# KiCad board S13552_64Ch_Adapter_BGA2803_V2-Pannel.kicad_pcb
title: Hamamatsu S13552 64 Channels Amplifier; date: 2025-07-29; rev: 1
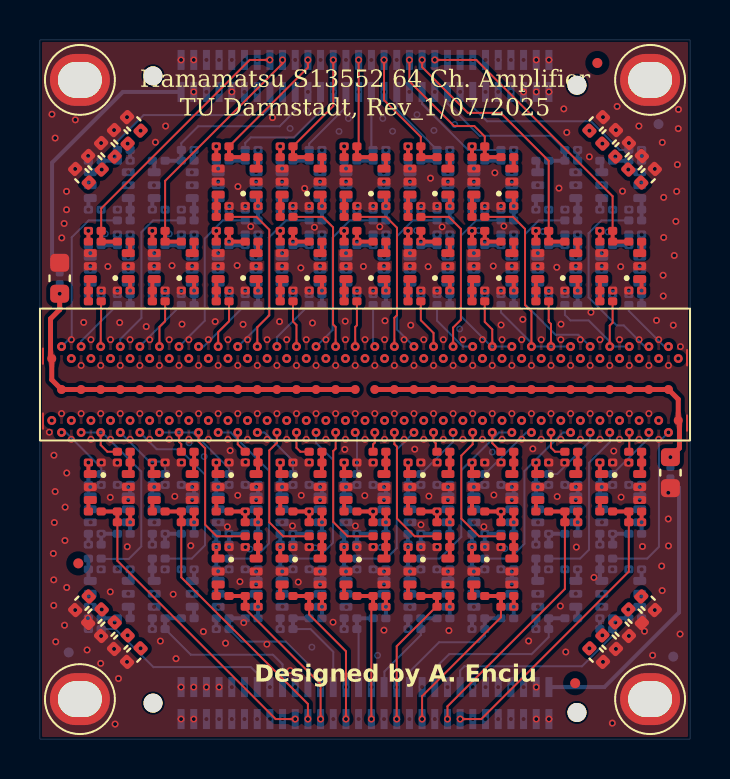
[diagram p0: board, top side]
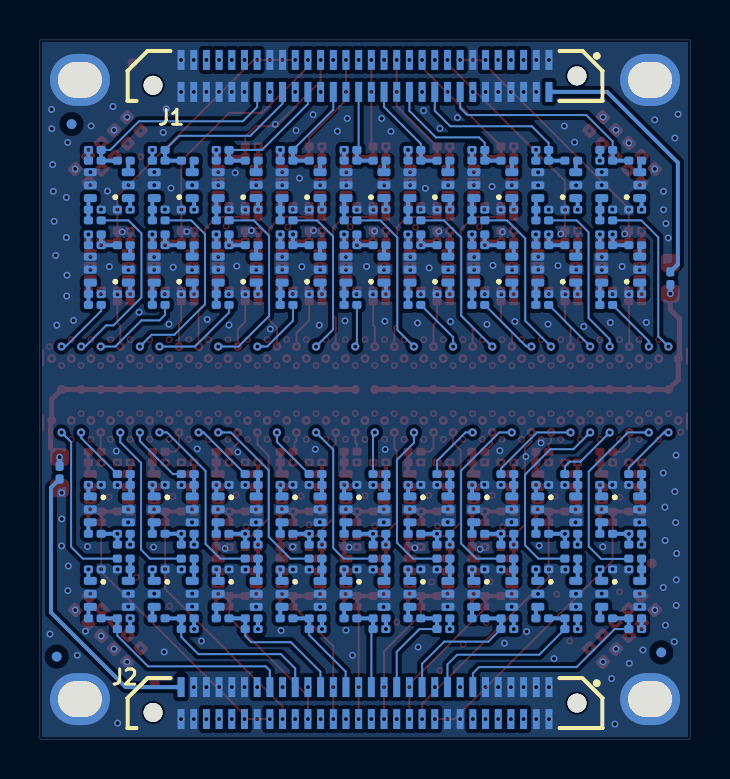
[diagram p1: board, bottom side, seen from below]

Outline 32.54 x 35 mm; copper layers: Top, GND_In1.Cu (plane), In2.Cu, GND_In3.Cu (plane), 3V3_In4.Cu (plane), GND_In5.Cu (plane), 1V1_In6.Cu (plane), GND_In7.Cu (plane), GND_In8.Cu (plane), Bottom. Coordinates in mm from the lower left corner of the outline.
Outline path: 0,35 32.54,35 32.54,0 0,0 0,35
Stack: Top 0.018mm / dielectric 0.1mm Polyimide er 3.2 / GND_In1.Cu 0.018mm / dielectric 0.187mm Polyimide er 4.5 / In2.Cu 0.018mm / dielectric 0.1mm Polyimide er 3.2 / GND_In3.Cu 0.035mm / dielectric 0.187mm FR4 er 4.5 / 3V3_In4.Cu 0.035mm / dielectric 0.1mm FR4 er 4.5 / GND_In5.Cu 0.035mm / dielectric 0.187mm FR4 er 4.5 / 1V1_In6.Cu 0.035mm / dielectric 0.1mm FR4 er 4.5 / GND_In7.Cu 0.035mm / dielectric 0.187mm FR4 er 4.5 / GND_In8.Cu 0.035mm / dielectric 0.1mm FR4 er 4.5 / Bottom 0.018mm

## Placement (name value [footprint] x y rotation side)
C1  10nF/100V  [C_0603_1608Metric]  31.56 13.34 270 top
C2  10nF/100V  [C_0603_1608Metric]  0.99 23.07 90 top
C3  1nF  [C_0201_0603Metric]  2.74 21.91 180 top
C4  100nF  [C_0201_0603Metric]  4.19 22.45 180 top
C5  1pF  [C_0201_0603Metric]  2.74 22.45 180 top
C6  1nF  [C_0201_0603Metric]  4.19 24.9 180 top
C7  1pF  [C_0201_0603Metric]  2.74 24.9 180 top
C8  1nF  [C_0201_0603Metric]  9.14 21.91 180 top
C9  100nF  [C_0201_0603Metric]  10.59 22.45 180 top
C10  1pF  [C_0201_0603Metric]  9.14 22.45 180 top
C11  1nF  [C_0201_0603Metric]  10.59 24.9 180 top
C12  1pF  [C_0201_0603Metric]  9.14 24.9 180 top
C13  1nF  [C_0201_0603Metric]  12.34 21.91 180 top
C14  100nF  [C_0201_0603Metric]  13.8 22.45 180 top
C15  1pF  [C_0201_0603Metric]  12.34 22.45 180 top
C16  1nF  [C_0201_0603Metric]  13.8 24.9 180 top
C17  1pF  [C_0201_0603Metric]  12.34 24.9 180 top
C18  1nF  [C_0201_0603Metric]  15.55 21.91 180 top
C19  100nF  [C_0201_0603Metric]  16.99 22.45 180 top
C20  1pF  [C_0201_0603Metric]  15.55 22.45 180 top
C21  1nF  [C_0201_0603Metric]  16.99 24.9 180 top
C22  1pF  [C_0201_0603Metric]  15.55 24.9 180 top
C23  1nF  [C_0201_0603Metric]  18.74 21.91 180 top
C24  100nF  [C_0201_0603Metric]  20.19 22.45 180 top
C25  1pF  [C_0201_0603Metric]  18.74 22.45 180 top
C26  1nF  [C_0201_0603Metric]  20.19 24.9 180 top
C27  1pF  [C_0201_0603Metric]  18.74 24.9 180 top
C28  1nF  [C_0201_0603Metric]  21.94 21.91 180 top
C29  100nF  [C_0201_0603Metric]  23.39 22.45 180 top
C30  1pF  [C_0201_0603Metric]  21.94 22.45 180 top
C31  1nF  [C_0201_0603Metric]  23.39 24.9 180 top
C32  1pF  [C_0201_0603Metric]  21.94 24.9 180 top
C33  1nF  [C_0201_0603Metric]  25.14 21.91 180 top
C34  100nF  [C_0201_0603Metric]  26.59 22.45 180 top
C35  1pF  [C_0201_0603Metric]  25.14 22.45 180 top
C36  1nF  [C_0201_0603Metric]  26.59 24.9 180 top
C37  1pF  [C_0201_0603Metric]  25.14 24.9 180 top
C38  1nF  [C_0201_0603Metric]  28.34 21.91 180 top
C39  100nF  [C_0201_0603Metric]  29.8 22.45 180 top
C40  1pF  [C_0201_0603Metric]  28.34 22.45 180 top
C41  1nF  [C_0201_0603Metric]  29.8 24.9 180 top
C42  1pF  [C_0201_0603Metric]  28.34 24.9 180 top
C43  1nF  [C_0201_0603Metric]  9.14 26.14 180 top
C44  100nF  [C_0201_0603Metric]  10.59 26.68 180 top
C45  1pF  [C_0201_0603Metric]  9.14 26.68 180 top
C46  1nF  [C_0201_0603Metric]  10.59 29.13 180 top
C47  1pF  [C_0201_0603Metric]  9.14 29.13 180 top
C48  1nF  [C_0201_0603Metric]  12.34 26.14 180 top
C49  100nF  [C_0201_0603Metric]  13.8 26.68 180 top
C50  1pF  [C_0201_0603Metric]  12.34 26.68 180 top
C51  1nF  [C_0201_0603Metric]  13.8 29.13 180 top
C52  1pF  [C_0201_0603Metric]  12.34 29.13 180 top
C53  1nF  [C_0201_0603Metric]  15.55 26.14 180 top
C54  100nF  [C_0201_0603Metric]  16.99 26.68 180 top
C55  1pF  [C_0201_0603Metric]  15.55 26.68 180 top
C56  1nF  [C_0201_0603Metric]  16.99 29.13 180 top
C57  1pF  [C_0201_0603Metric]  15.55 29.13 180 top
C58  1nF  [C_0201_0603Metric]  18.74 26.14 180 top
C59  100nF  [C_0201_0603Metric]  20.19 26.68 180 top
C60  1pF  [C_0201_0603Metric]  18.74 26.68 180 top
C61  1nF  [C_0201_0603Metric]  20.19 29.13 180 top
C62  1pF  [C_0201_0603Metric]  18.74 29.13 180 top
C63  1nF  [C_0201_0603Metric]  5.94 21.91 180 top
C64  100nF  [C_0201_0603Metric]  7.39 22.45 180 top
C65  1pF  [C_0201_0603Metric]  5.94 22.45 180 top
C66  1nF  [C_0201_0603Metric]  7.39 24.9 180 top
C67  1pF  [C_0201_0603Metric]  5.94 24.9 180 top
C68  1nF  [C_0201_0603Metric]  21.94 26.14 180 top
C69  100nF  [C_0201_0603Metric]  23.39 26.68 180 top
C70  1pF  [C_0201_0603Metric]  21.94 26.68 180 top
C71  1nF  [C_0201_0603Metric]  23.39 29.13 180 top
C72  1pF  [C_0201_0603Metric]  21.94 29.13 180 top
C73  1nF  [C_0201_0603Metric]  26.59 14.38 0 top
C74  100nF  [C_0201_0603Metric]  25.14 13.84 0 top
C75  1pF  [C_0201_0603Metric]  26.59 13.84 0 top
C76  1nF  [C_0201_0603Metric]  25.14 11.39 0 top
C77  1pF  [C_0201_0603Metric]  26.59 11.39 0 top
C78  1nF  [C_0201_0603Metric]  23.39 14.38 0 top
C79  100nF  [C_0201_0603Metric]  21.94 13.84 0 top
C80  1pF  [C_0201_0603Metric]  23.39 13.84 0 top
C81  1nF  [C_0201_0603Metric]  21.94 11.39 0 top
C82  1pF  [C_0201_0603Metric]  23.39 11.39 0 top
C83  1nF  [C_0201_0603Metric]  20.19 14.38 0 top
C84  100nF  [C_0201_0603Metric]  18.74 13.84 0 top
C85  1pF  [C_0201_0603Metric]  20.19 13.84 0 top
C86  1nF  [C_0201_0603Metric]  18.74 11.39 0 top
C87  1pF  [C_0201_0603Metric]  20.19 11.39 0 top
C88  1nF  [C_0201_0603Metric]  16.99 10.15 0 top
C89  100nF  [C_0201_0603Metric]  15.55 9.61 0 top
C90  1pF  [C_0201_0603Metric]  16.99 9.61 0 top
C91  1nF  [C_0201_0603Metric]  15.55 7.16 0 top
C92  1pF  [C_0201_0603Metric]  16.99 7.16 0 top
C93  1nF  [C_0201_0603Metric]  7.39 14.38 0 top
C94  100nF  [C_0201_0603Metric]  5.94 13.84 0 top
C95  1pF  [C_0201_0603Metric]  7.39 13.84 0 top
C96  1nF  [C_0201_0603Metric]  5.94 11.39 0 top
C97  1pF  [C_0201_0603Metric]  7.39 11.39 0 top
C98  1nF  [C_0201_0603Metric]  29.8 14.38 0 top
C99  100nF  [C_0201_0603Metric]  28.34 13.84 0 top
C100  1pF  [C_0201_0603Metric]  29.8 13.84 0 top
C101  1nF  [C_0201_0603Metric]  28.34 11.39 0 top
C102  1pF  [C_0201_0603Metric]  29.8 11.39 0 top
C103  1nF  [C_0201_0603Metric]  10.59 14.38 0 top
C104  100nF  [C_0201_0603Metric]  9.14 13.84 0 top
C105  1pF  [C_0201_0603Metric]  10.59 13.84 0 top
C106  1nF  [C_0201_0603Metric]  9.14 11.39 0 top
C107  1pF  [C_0201_0603Metric]  10.59 11.39 0 top
C108  1nF  [C_0201_0603Metric]  13.8 10.15 0 top
C109  100nF  [C_0201_0603Metric]  12.34 9.61 0 top
C110  1pF  [C_0201_0603Metric]  13.8 9.61 0 top
C111  1nF  [C_0201_0603Metric]  12.34 7.16 0 top
C112  1pF  [C_0201_0603Metric]  13.8 7.16 0 top
C113  1nF  [C_0201_0603Metric]  10.59 10.15 0 top
C114  100nF  [C_0201_0603Metric]  9.14 9.61 0 top
C115  1pF  [C_0201_0603Metric]  10.59 9.61 0 top
C116  1nF  [C_0201_0603Metric]  9.14 7.16 0 top
C117  1pF  [C_0201_0603Metric]  10.59 7.16 0 top
C118  1nF  [C_0201_0603Metric]  20.19 10.15 0 top
C119  100nF  [C_0201_0603Metric]  18.74 9.61 0 top
C120  1pF  [C_0201_0603Metric]  20.19 9.61 0 top
C121  1nF  [C_0201_0603Metric]  18.74 7.16 0 top
C122  1pF  [C_0201_0603Metric]  20.19 7.16 0 top
C123  1nF  [C_0201_0603Metric]  13.8 14.38 0 top
C124  100nF  [C_0201_0603Metric]  12.34 13.84 0 top
C125  1pF  [C_0201_0603Metric]  13.8 13.84 0 top
C126  1nF  [C_0201_0603Metric]  12.34 11.39 0 top
C127  1pF  [C_0201_0603Metric]  13.8 11.39 0 top
C128  1nF  [C_0201_0603Metric]  23.39 10.15 0 top
C129  100nF  [C_0201_0603Metric]  21.94 9.61 0 top
C130  1pF  [C_0201_0603Metric]  23.39 9.61 0 top
C131  1nF  [C_0201_0603Metric]  21.94 7.16 0 top
C132  1pF  [C_0201_0603Metric]  23.39 7.16 0 top
C133  1nF  [C_0201_0603Metric]  4.19 14.38 0 top
C134  100nF  [C_0201_0603Metric]  2.74 13.84 0 top
C135  1pF  [C_0201_0603Metric]  4.19 13.84 0 top
C136  1nF  [C_0201_0603Metric]  2.74 11.39 0 top
C137  1pF  [C_0201_0603Metric]  4.19 11.39 0 top
C138  1nF  [C_0201_0603Metric]  16.99 14.38 0 top
C139  100nF  [C_0201_0603Metric]  15.55 13.84 0 top
C140  1pF  [C_0201_0603Metric]  16.99 13.84 0 top
C141  1nF  [C_0201_0603Metric]  15.55 11.39 0 top
C142  1pF  [C_0201_0603Metric]  16.99 11.39 0 top
C143  1nF  [C_0201_0603Metric]  15.55 9.03 180 bottom
C144  100nF  [C_0201_0603Metric]  16.99 8.49 180 bottom
C145  1pF  [C_0201_0603Metric]  15.55 8.49 180 bottom
C146  1nF  [C_0201_0603Metric]  16.99 6.04 180 bottom
C147  1pF  [C_0201_0603Metric]  15.55 6.04 180 bottom
C148  1nF  [C_0201_0603Metric]  2.74 13.26 180 bottom
C149  100nF  [C_0201_0603Metric]  4.19 12.72 180 bottom
C150  1pF  [C_0201_0603Metric]  2.74 12.72 180 bottom
C151  1nF  [C_0201_0603Metric]  4.19 10.27 180 bottom
C152  1pF  [C_0201_0603Metric]  2.74 10.27 180 bottom
C153  1nF  [C_0201_0603Metric]  18.74 9.03 180 bottom
C154  100nF  [C_0201_0603Metric]  20.19 8.49 180 bottom
C155  1pF  [C_0201_0603Metric]  18.74 8.49 180 bottom
C156  1nF  [C_0201_0603Metric]  20.19 6.04 180 bottom
C157  1pF  [C_0201_0603Metric]  18.74 6.04 180 bottom
C158  1nF  [C_0201_0603Metric]  20.19 21.73 0 bottom
C159  100nF  [C_0201_0603Metric]  18.74 22.27 0 bottom
C160  1pF  [C_0201_0603Metric]  20.19 22.27 0 bottom
C161  1nF  [C_0201_0603Metric]  18.74 24.72 0 bottom
C162  1pF  [C_0201_0603Metric]  20.19 24.72 0 bottom
C163  1nF  [C_0201_0603Metric]  18.74 13.26 180 bottom
C164  100nF  [C_0201_0603Metric]  20.19 12.72 180 bottom
C165  1pF  [C_0201_0603Metric]  18.74 12.72 180 bottom
C166  1nF  [C_0201_0603Metric]  20.19 10.27 180 bottom
C167  1pF  [C_0201_0603Metric]  18.74 10.27 180 bottom
C168  1nF  [C_0201_0603Metric]  5.94 9.03 180 bottom
C169  100nF  [C_0201_0603Metric]  7.39 8.49 180 bottom
C170  1pF  [C_0201_0603Metric]  5.94 8.49 180 bottom
C171  1nF  [C_0201_0603Metric]  7.39 6.04 180 bottom
C172  1pF  [C_0201_0603Metric]  5.94 6.04 180 bottom
C173  1nF  [C_0201_0603Metric]  12.34 13.26 180 bottom
C174  100nF  [C_0201_0603Metric]  13.8 12.72 180 bottom
C175  1pF  [C_0201_0603Metric]  12.34 12.72 180 bottom
C176  1nF  [C_0201_0603Metric]  13.8 10.27 180 bottom
C177  1pF  [C_0201_0603Metric]  12.34 10.27 180 bottom
C178  1nF  [C_0201_0603Metric]  20.19 25.96 0 bottom
C179  100nF  [C_0201_0603Metric]  18.74 26.5 0 bottom
C180  1pF  [C_0201_0603Metric]  20.19 26.5 0 bottom
C181  1nF  [C_0201_0603Metric]  18.74 28.95 0 bottom
C182  1pF  [C_0201_0603Metric]  20.19 28.95 0 bottom
C183  1nF  [C_0201_0603Metric]  4.19 25.96 0 bottom
C184  100nF  [C_0201_0603Metric]  2.74 26.5 0 bottom
C185  1pF  [C_0201_0603Metric]  4.19 26.5 0 bottom
C186  1nF  [C_0201_0603Metric]  2.74 28.95 0 bottom
C187  1pF  [C_0201_0603Metric]  4.19 28.95 0 bottom
C188  1nF  [C_0201_0603Metric]  21.94 13.26 180 bottom
C189  100nF  [C_0201_0603Metric]  23.39 12.72 180 bottom
C190  1pF  [C_0201_0603Metric]  21.94 12.72 180 bottom
C191  1nF  [C_0201_0603Metric]  23.39 10.27 180 bottom
C192  1pF  [C_0201_0603Metric]  21.94 10.27 180 bottom
C193  1nF  [C_0201_0603Metric]  16.99 21.73 0 bottom
C194  100nF  [C_0201_0603Metric]  15.55 22.27 0 bottom
C195  1pF  [C_0201_0603Metric]  16.99 22.27 0 bottom
C196  1nF  [C_0201_0603Metric]  15.55 24.72 0 bottom
C197  1pF  [C_0201_0603Metric]  16.99 24.72 0 bottom
C198  1nF  [C_0201_0603Metric]  29.8 21.73 0 bottom
C199  100nF  [C_0201_0603Metric]  28.34 22.27 0 bottom
C200  1pF  [C_0201_0603Metric]  29.8 22.27 0 bottom
C201  1nF  [C_0201_0603Metric]  28.34 24.72 0 bottom
C202  1pF  [C_0201_0603Metric]  29.8 24.72 0 bottom
C203  1nF  [C_0201_0603Metric]  9.14 13.26 180 bottom
C204  100nF  [C_0201_0603Metric]  10.59 12.72 180 bottom
C205  1pF  [C_0201_0603Metric]  9.14 12.72 180 bottom
C206  1nF  [C_0201_0603Metric]  10.59 10.27 180 bottom
C207  1pF  [C_0201_0603Metric]  9.14 10.27 180 bottom
C208  1nF  [C_0201_0603Metric]  13.8 25.96 0 bottom
C209  100nF  [C_0201_0603Metric]  12.34 26.5 0 bottom
C210  1pF  [C_0201_0603Metric]  13.8 26.5 0 bottom
C211  1nF  [C_0201_0603Metric]  12.34 28.95 0 bottom
C212  1pF  [C_0201_0603Metric]  13.8 28.95 0 bottom
C213  1nF  [C_0201_0603Metric]  23.39 21.73 0 bottom
C214  100nF  [C_0201_0603Metric]  21.94 22.27 0 bottom
C215  1pF  [C_0201_0603Metric]  23.39 22.27 0 bottom
C216  1nF  [C_0201_0603Metric]  21.94 24.72 0 bottom
C217  1pF  [C_0201_0603Metric]  23.39 24.72 0 bottom
C218  1nF  [C_0201_0603Metric]  13.8 21.73 0 bottom
C219  100nF  [C_0201_0603Metric]  12.34 22.27 0 bottom
C220  1pF  [C_0201_0603Metric]  13.8 22.27 0 bottom
C221  1nF  [C_0201_0603Metric]  12.34 24.72 0 bottom
C222  1pF  [C_0201_0603Metric]  13.8 24.72 0 bottom
C223  1nF  [C_0201_0603Metric]  29.8 25.96 0 bottom
C224  100nF  [C_0201_0603Metric]  28.34 26.5 0 bottom
C225  1pF  [C_0201_0603Metric]  29.8 26.5 0 bottom
C226  1nF  [C_0201_0603Metric]  28.34 28.95 0 bottom
C227  1pF  [C_0201_0603Metric]  29.8 28.95 0 bottom
C228  1nF  [C_0201_0603Metric]  4.19 21.73 0 bottom
C229  100nF  [C_0201_0603Metric]  2.74 22.27 0 bottom
C230  1pF  [C_0201_0603Metric]  4.19 22.27 0 bottom
C231  1nF  [C_0201_0603Metric]  2.74 24.72 0 bottom
C232  1pF  [C_0201_0603Metric]  4.19 24.72 0 bottom
C233  1nF  [C_0201_0603Metric]  9.14 9.03 180 bottom
C234  100nF  [C_0201_0603Metric]  10.59 8.49 180 bottom
C235  1pF  [C_0201_0603Metric]  9.14 8.49 180 bottom
C236  1nF  [C_0201_0603Metric]  10.59 6.04 180 bottom
C237  1pF  [C_0201_0603Metric]  9.14 6.04 180 bottom
C238  1nF  [C_0201_0603Metric]  10.59 21.73 0 bottom
C239  100nF  [C_0201_0603Metric]  9.14 22.27 0 bottom
C240  1pF  [C_0201_0603Metric]  10.59 22.27 0 bottom
C241  1nF  [C_0201_0603Metric]  9.14 24.72 0 bottom
C242  1pF  [C_0201_0603Metric]  10.59 24.72 0 bottom
C243  1nF  [C_0201_0603Metric]  7.39 21.73 0 bottom
C244  100nF  [C_0201_0603Metric]  5.94 22.27 0 bottom
C245  1pF  [C_0201_0603Metric]  7.39 22.27 0 bottom
C246  1nF  [C_0201_0603Metric]  5.94 24.72 0 bottom
C247  1pF  [C_0201_0603Metric]  7.39 24.72 0 bottom
C248  1nF  [C_0201_0603Metric]  12.34 9.03 180 bottom
C249  100nF  [C_0201_0603Metric]  13.8 8.49 180 bottom
C250  1pF  [C_0201_0603Metric]  12.34 8.49 180 bottom
C251  1nF  [C_0201_0603Metric]  13.8 6.04 180 bottom
C252  1pF  [C_0201_0603Metric]  12.34 6.04 180 bottom
C253  1nF  [C_0201_0603Metric]  10.59 25.96 0 bottom
C254  100nF  [C_0201_0603Metric]  9.14 26.5 0 bottom
C255  1pF  [C_0201_0603Metric]  10.59 26.5 0 bottom
C256  1nF  [C_0201_0603Metric]  9.14 28.95 0 bottom
C257  1pF  [C_0201_0603Metric]  10.59 28.95 0 bottom
C258  1nF  [C_0201_0603Metric]  25.14 13.26 180 bottom
C259  100nF  [C_0201_0603Metric]  26.59 12.72 180 bottom
C260  1pF  [C_0201_0603Metric]  25.14 12.72 180 bottom
C261  1nF  [C_0201_0603Metric]  26.59 10.27 180 bottom
C262  1pF  [C_0201_0603Metric]  25.14 10.27 180 bottom
C263  1nF  [C_0201_0603Metric]  28.34 13.26 180 bottom
C264  100nF  [C_0201_0603Metric]  29.8 12.72 180 bottom
C265  1pF  [C_0201_0603Metric]  28.34 12.72 180 bottom
C266  1nF  [C_0201_0603Metric]  29.8 10.27 180 bottom
C267  1pF  [C_0201_0603Metric]  28.34 10.27 180 bottom
C268  1nF  [C_0201_0603Metric]  5.94 13.26 180 bottom
C269  100nF  [C_0201_0603Metric]  7.39 12.72 180 bottom
C270  1pF  [C_0201_0603Metric]  5.94 12.72 180 bottom
C271  1nF  [C_0201_0603Metric]  7.39 10.27 180 bottom
C272  1pF  [C_0201_0603Metric]  5.94 10.27 180 bottom
C273  1nF  [C_0201_0603Metric]  23.39 25.96 0 bottom
C274  100nF  [C_0201_0603Metric]  21.94 26.5 0 bottom
C275  1pF  [C_0201_0603Metric]  23.39 26.5 0 bottom
C276  1nF  [C_0201_0603Metric]  21.94 28.95 0 bottom
C277  1pF  [C_0201_0603Metric]  23.39 28.95 0 bottom
C278  1nF  [C_0201_0603Metric]  16.99 25.96 0 bottom
C279  100nF  [C_0201_0603Metric]  15.55 26.5 0 bottom
C280  1pF  [C_0201_0603Metric]  16.99 26.5 0 bottom
C281  1nF  [C_0201_0603Metric]  15.55 28.95 0 bottom
C282  1pF  [C_0201_0603Metric]  16.99 28.95 0 bottom
C283  1nF  [C_0201_0603Metric]  26.59 21.73 0 bottom
C284  100nF  [C_0201_0603Metric]  25.14 22.27 0 bottom
C285  1pF  [C_0201_0603Metric]  26.59 22.27 0 bottom
C286  1nF  [C_0201_0603Metric]  25.14 24.72 0 bottom
C287  1pF  [C_0201_0603Metric]  26.59 24.72 0 bottom
C288  1nF  [C_0201_0603Metric]  25.14 9.03 180 bottom
C289  100nF  [C_0201_0603Metric]  26.59 8.49 180 bottom
C290  1pF  [C_0201_0603Metric]  25.14 8.49 180 bottom
C291  1nF  [C_0201_0603Metric]  26.59 6.04 180 bottom
C292  1pF  [C_0201_0603Metric]  25.14 6.04 180 bottom
C293  1nF  [C_0201_0603Metric]  7.39 25.96 0 bottom
C294  100nF  [C_0201_0603Metric]  5.94 26.5 0 bottom
C295  1pF  [C_0201_0603Metric]  7.39 26.5 0 bottom
C296  1nF  [C_0201_0603Metric]  5.94 28.95 0 bottom
C297  1pF  [C_0201_0603Metric]  7.39 28.95 0 bottom
C298  1nF  [C_0201_0603Metric]  2.74 9.03 180 bottom
C299  100nF  [C_0201_0603Metric]  4.19 8.49 180 bottom
C300  1pF  [C_0201_0603Metric]  2.74 8.49 180 bottom
C301  1nF  [C_0201_0603Metric]  4.19 6.04 180 bottom
C302  1pF  [C_0201_0603Metric]  2.74 6.04 180 bottom
C303  1nF  [C_0201_0603Metric]  26.59 25.96 0 bottom
C304  100nF  [C_0201_0603Metric]  25.14 26.5 0 bottom
C305  1pF  [C_0201_0603Metric]  26.59 26.5 0 bottom
C306  1nF  [C_0201_0603Metric]  25.14 28.95 0 bottom
C307  1pF  [C_0201_0603Metric]  26.59 28.95 0 bottom
C308  1nF  [C_0201_0603Metric]  28.34 9.03 180 bottom
C309  100nF  [C_0201_0603Metric]  29.8 8.49 180 bottom
C310  1pF  [C_0201_0603Metric]  28.34 8.49 180 bottom
C311  1nF  [C_0201_0603Metric]  29.8 6.04 180 bottom
C312  1pF  [C_0201_0603Metric]  28.34 6.04 180 bottom
C313  1nF  [C_0201_0603Metric]  15.55 13.26 180 bottom
C314  100nF  [C_0201_0603Metric]  16.99 12.72 180 bottom
C315  1pF  [C_0201_0603Metric]  15.55 12.72 180 bottom
C316  1nF  [C_0201_0603Metric]  16.99 10.27 180 bottom
C317  1pF  [C_0201_0603Metric]  15.55 10.27 180 bottom
C318  1nF  [C_0201_0603Metric]  21.94 9.03 180 bottom
C319  100nF  [C_0201_0603Metric]  23.39 8.49 180 bottom
C320  1pF  [C_0201_0603Metric]  21.94 8.49 180 bottom
C321  1nF  [C_0201_0603Metric]  23.39 6.04 180 bottom
C322  1pF  [C_0201_0603Metric]  21.94 6.04 180 bottom
C323  100nF  [C_0402_1005Metric]  2.1 28.2 135 top
C324  100nF  [C_0402_1005Metric]  2.75 28.85 135 top
C325  100nF  [C_0402_1005Metric]  3.4 29.5 135 top
C326  100nF  [C_0402_1005Metric]  4.05 30.15 135 top
C327  100nF  [C_0402_1005Metric]  4.7 30.8 135 top
C328  100nF  [C_0402_1005Metric]  4.7 4.2 225 top
C329  100nF  [C_0402_1005Metric]  4.05 4.85 225 top
C330  100nF  [C_0402_1005Metric]  3.4 5.5 225 top
C331  100nF  [C_0402_1005Metric]  2.75 6.15 225 top
C332  100nF  [C_0402_1005Metric]  2.1 6.8 225 top
C333  100nF  [C_0402_1005Metric]  27.84 30.8 45 top
C334  100nF  [C_0402_1005Metric]  28.49 30.15 45 top
C335  100nF  [C_0402_1005Metric]  29.14 29.5 45 top
C336  100nF  [C_0402_1005Metric]  29.79 28.85 45 top
C337  100nF  [C_0402_1005Metric]  30.44 28.2 45 top
C338  100nF  [C_0402_1005Metric]  30.44 6.8 315 top
C339  100nF  [C_0402_1005Metric]  29.79 6.15 315 top
C340  100nF  [C_0402_1005Metric]  29.14 5.5 315 top
C341  100nF  [C_0402_1005Metric]  28.49 4.85 315 top
C342  100nF  [C_0402_1005Metric]  27.84 4.2 315 top
FID1  Fiducial  [Fiducial_0.5mm_Mask1mm]  26.79 2.8 0 top
FID2  Fiducial  [Fiducial_0.5mm_Mask1mm]  27.9 33.85 0 top
FID3  Fiducial  [Fiducial_0.5mm_Mask1mm]  1.92 8.79 0 top
FID4  Fiducial  [Fiducial_0.5mm_Mask1mm]  1.44 4.34 180 bottom
FID5  Fiducial  [Fiducial_0.5mm_Mask1mm]  31.7 4.13 180 bottom
FID6  Fiducial  [Fiducial_0.5mm_Mask1mm]  30.96 30.79 180 bottom
H101  NPT 2.2 mm  [MountingHole_2.2mm_M2]  30.54 33 0 top
H102  NPT 2.2 mm  [MountingHole_2.2mm_M2]  2 33 0 top
H103  NPT 2.2 mm  [MountingHole_2.2mm_M2]  2 2 0 top
H104  NPT 2.2 mm  [MountingHole_2.2mm_M2]  30.54 2 0 top
J1  ERM6-30-01.5-L-DV-A-K-TR  [SAMTEC_ERM6-30-01.5-L-DV-A-K-TR]  16.27 33.2 0 bottom
J2  ERM6-30-01.5-L-DV-A-K-TR  [SAMTEC_ERM6-30-01.5-L-DV-A-K-TR]  16.27 1.8 0 bottom
MPPC1  ~  [S13552]  16.27 17.5 0 top
R1  1k  [R_0201_0603Metric]  31.56 13.34 270 bottom
R2  1k  [R_0201_0603Metric]  0.99 23.07 90 bottom
R6  150  [R_0201_0603Metric]  9.14 25.44 180 top
R7  150  [R_0201_0603Metric]  12.34 25.44 180 top
R8  150  [R_0201_0603Metric]  15.55 25.44 180 top
R9  150  [R_0201_0603Metric]  18.74 25.44 180 top
R10  150  [R_0201_0603Metric]  21.94 25.44 180 top
R11  150  [R_0201_0603Metric]  25.14 25.44 180 top
R12  150  [R_0201_0603Metric]  28.34 25.44 180 top
R13  150  [R_0201_0603Metric]  9.14 29.67 180 top
R14  150  [R_0201_0603Metric]  12.34 29.67 180 top
R15  150  [R_0201_0603Metric]  15.55 29.67 180 top
R16  150  [R_0201_0603Metric]  18.74 29.67 180 top
R17  150  [R_0201_0603Metric]  5.94 25.44 180 top
R18  150  [R_0201_0603Metric]  21.94 29.67 180 top
R19  150  [R_0201_0603Metric]  26.59 10.85 0 top
R20  150  [R_0201_0603Metric]  23.39 10.85 0 top
R21  150  [R_0201_0603Metric]  20.19 10.85 0 top
R22  150  [R_0201_0603Metric]  16.99 6.62 0 top
R23  150  [R_0201_0603Metric]  7.39 10.85 0 top
R24  150  [R_0201_0603Metric]  29.8 10.85 0 top
R25  150  [R_0201_0603Metric]  10.59 10.85 0 top
R26  150  [R_0201_0603Metric]  13.8 6.62 0 top
R27  150  [R_0201_0603Metric]  10.59 6.62 0 top
R28  150  [R_0201_0603Metric]  20.19 6.62 0 top
R29  150  [R_0201_0603Metric]  13.8 10.85 0 top
R30  150  [R_0201_0603Metric]  23.39 6.62 0 top
R31  150  [R_0201_0603Metric]  4.19 10.85 0 top
R32  150  [R_0201_0603Metric]  16.99 10.85 0 top
R33  150  [R_0201_0603Metric]  15.55 5.5 180 bottom
R34  150  [R_0201_0603Metric]  2.74 9.73 180 bottom
R35  150  [R_0201_0603Metric]  18.74 5.5 180 bottom
R36  150  [R_0201_0603Metric]  20.19 25.26 0 bottom
R37  150  [R_0201_0603Metric]  18.74 9.73 180 bottom
R38  150  [R_0201_0603Metric]  5.94 5.5 180 bottom
R39  150  [R_0201_0603Metric]  12.34 9.73 180 bottom
R40  150  [R_0201_0603Metric]  20.19 29.49 0 bottom
R41  150  [R_0201_0603Metric]  4.19 29.49 0 bottom
R42  150  [R_0201_0603Metric]  21.94 9.73 180 bottom
R43  150  [R_0201_0603Metric]  16.99 25.26 0 bottom
R44  150  [R_0201_0603Metric]  29.8 25.26 0 bottom
R45  150  [R_0201_0603Metric]  9.14 9.73 180 bottom
R46  150  [R_0201_0603Metric]  13.8 29.49 0 bottom
R47  150  [R_0201_0603Metric]  23.39 25.26 0 bottom
R48  150  [R_0201_0603Metric]  13.8 25.26 0 bottom
R49  150  [R_0201_0603Metric]  29.8 29.49 0 bottom
R50  150  [R_0201_0603Metric]  4.19 25.26 0 bottom
R51  150  [R_0201_0603Metric]  9.14 5.5 180 bottom
R52  150  [R_0201_0603Metric]  10.59 25.26 0 bottom
R53  150  [R_0201_0603Metric]  7.39 25.26 0 bottom
R54  150  [R_0201_0603Metric]  12.34 5.5 180 bottom
R55  150  [R_0201_0603Metric]  10.59 29.49 0 bottom
R56  150  [R_0201_0603Metric]  25.14 9.73 180 bottom
R57  150  [R_0201_0603Metric]  28.34 9.73 180 bottom
R58  150  [R_0201_0603Metric]  5.94 9.73 180 bottom
R59  150  [R_0201_0603Metric]  23.39 29.49 0 bottom
R60  150  [R_0201_0603Metric]  16.99 29.49 0 bottom
R61  150  [R_0201_0603Metric]  26.59 25.26 0 bottom
R62  150  [R_0201_0603Metric]  25.14 5.5 180 bottom
R63  150  [R_0201_0603Metric]  7.39 29.49 0 bottom
R64  150  [R_0201_0603Metric]  2.74 5.5 180 bottom
R65  150  [R_0201_0603Metric]  26.59 29.49 0 bottom
R66  150  [R_0201_0603Metric]  28.34 5.5 180 bottom
R67  150  [R_0201_0603Metric]  15.55 9.73 180 bottom
R68  150  [R_0201_0603Metric]  21.94 5.5 180 bottom
R201  150  [R_0201_0603Metric]  2.74 25.44 180 top
U4  BGA2803  [SOT-363_SC-70-6_BGA2803]  9.87 23.68 180 top
U5  BGA2803  [SOT-363_SC-70-6_BGA2803]  13.07 23.68 180 top
U6  BGA2803  [SOT-363_SC-70-6_BGA2803]  16.27 23.68 180 top
U7  BGA2803  [SOT-363_SC-70-6_BGA2803]  19.47 23.68 180 top
U8  BGA2803  [SOT-363_SC-70-6_BGA2803]  22.67 23.68 180 top
U9  BGA2803  [SOT-363_SC-70-6_BGA2803]  25.87 23.68 180 top
U10  BGA2803  [SOT-363_SC-70-6_BGA2803]  29.07 23.68 180 top
U11  BGA2803  [SOT-363_SC-70-6_BGA2803]  9.87 27.91 180 top
U12  BGA2803  [SOT-363_SC-70-6_BGA2803]  13.07 27.91 180 top
U13  BGA2803  [SOT-363_SC-70-6_BGA2803]  16.27 27.91 180 top
U14  BGA2803  [SOT-363_SC-70-6_BGA2803]  19.47 27.91 180 top
U15  BGA2803  [SOT-363_SC-70-6_BGA2803]  6.67 23.68 180 top
U16  BGA2803  [SOT-363_SC-70-6_BGA2803]  22.67 27.91 180 top
U17  BGA2803  [SOT-363_SC-70-6_BGA2803]  25.87 12.62 0 top
U18  BGA2803  [SOT-363_SC-70-6_BGA2803]  22.67 12.62 0 top
U19  BGA2803  [SOT-363_SC-70-6_BGA2803]  19.47 12.62 0 top
U20  BGA2803  [SOT-363_SC-70-6_BGA2803]  16.27 8.39 0 top
U21  BGA2803  [SOT-363_SC-70-6_BGA2803]  6.67 12.62 0 top
U22  BGA2803  [SOT-363_SC-70-6_BGA2803]  29.07 12.62 0 top
U23  BGA2803  [SOT-363_SC-70-6_BGA2803]  9.87 12.62 0 top
U24  BGA2803  [SOT-363_SC-70-6_BGA2803]  13.07 8.39 0 top
U25  BGA2803  [SOT-363_SC-70-6_BGA2803]  9.87 8.39 0 top
U26  BGA2803  [SOT-363_SC-70-6_BGA2803]  19.47 8.39 0 top